# Altium PCB Analog_Daughter_6U_MAX11331.PcbDoc (part 4 of 6) (continued)
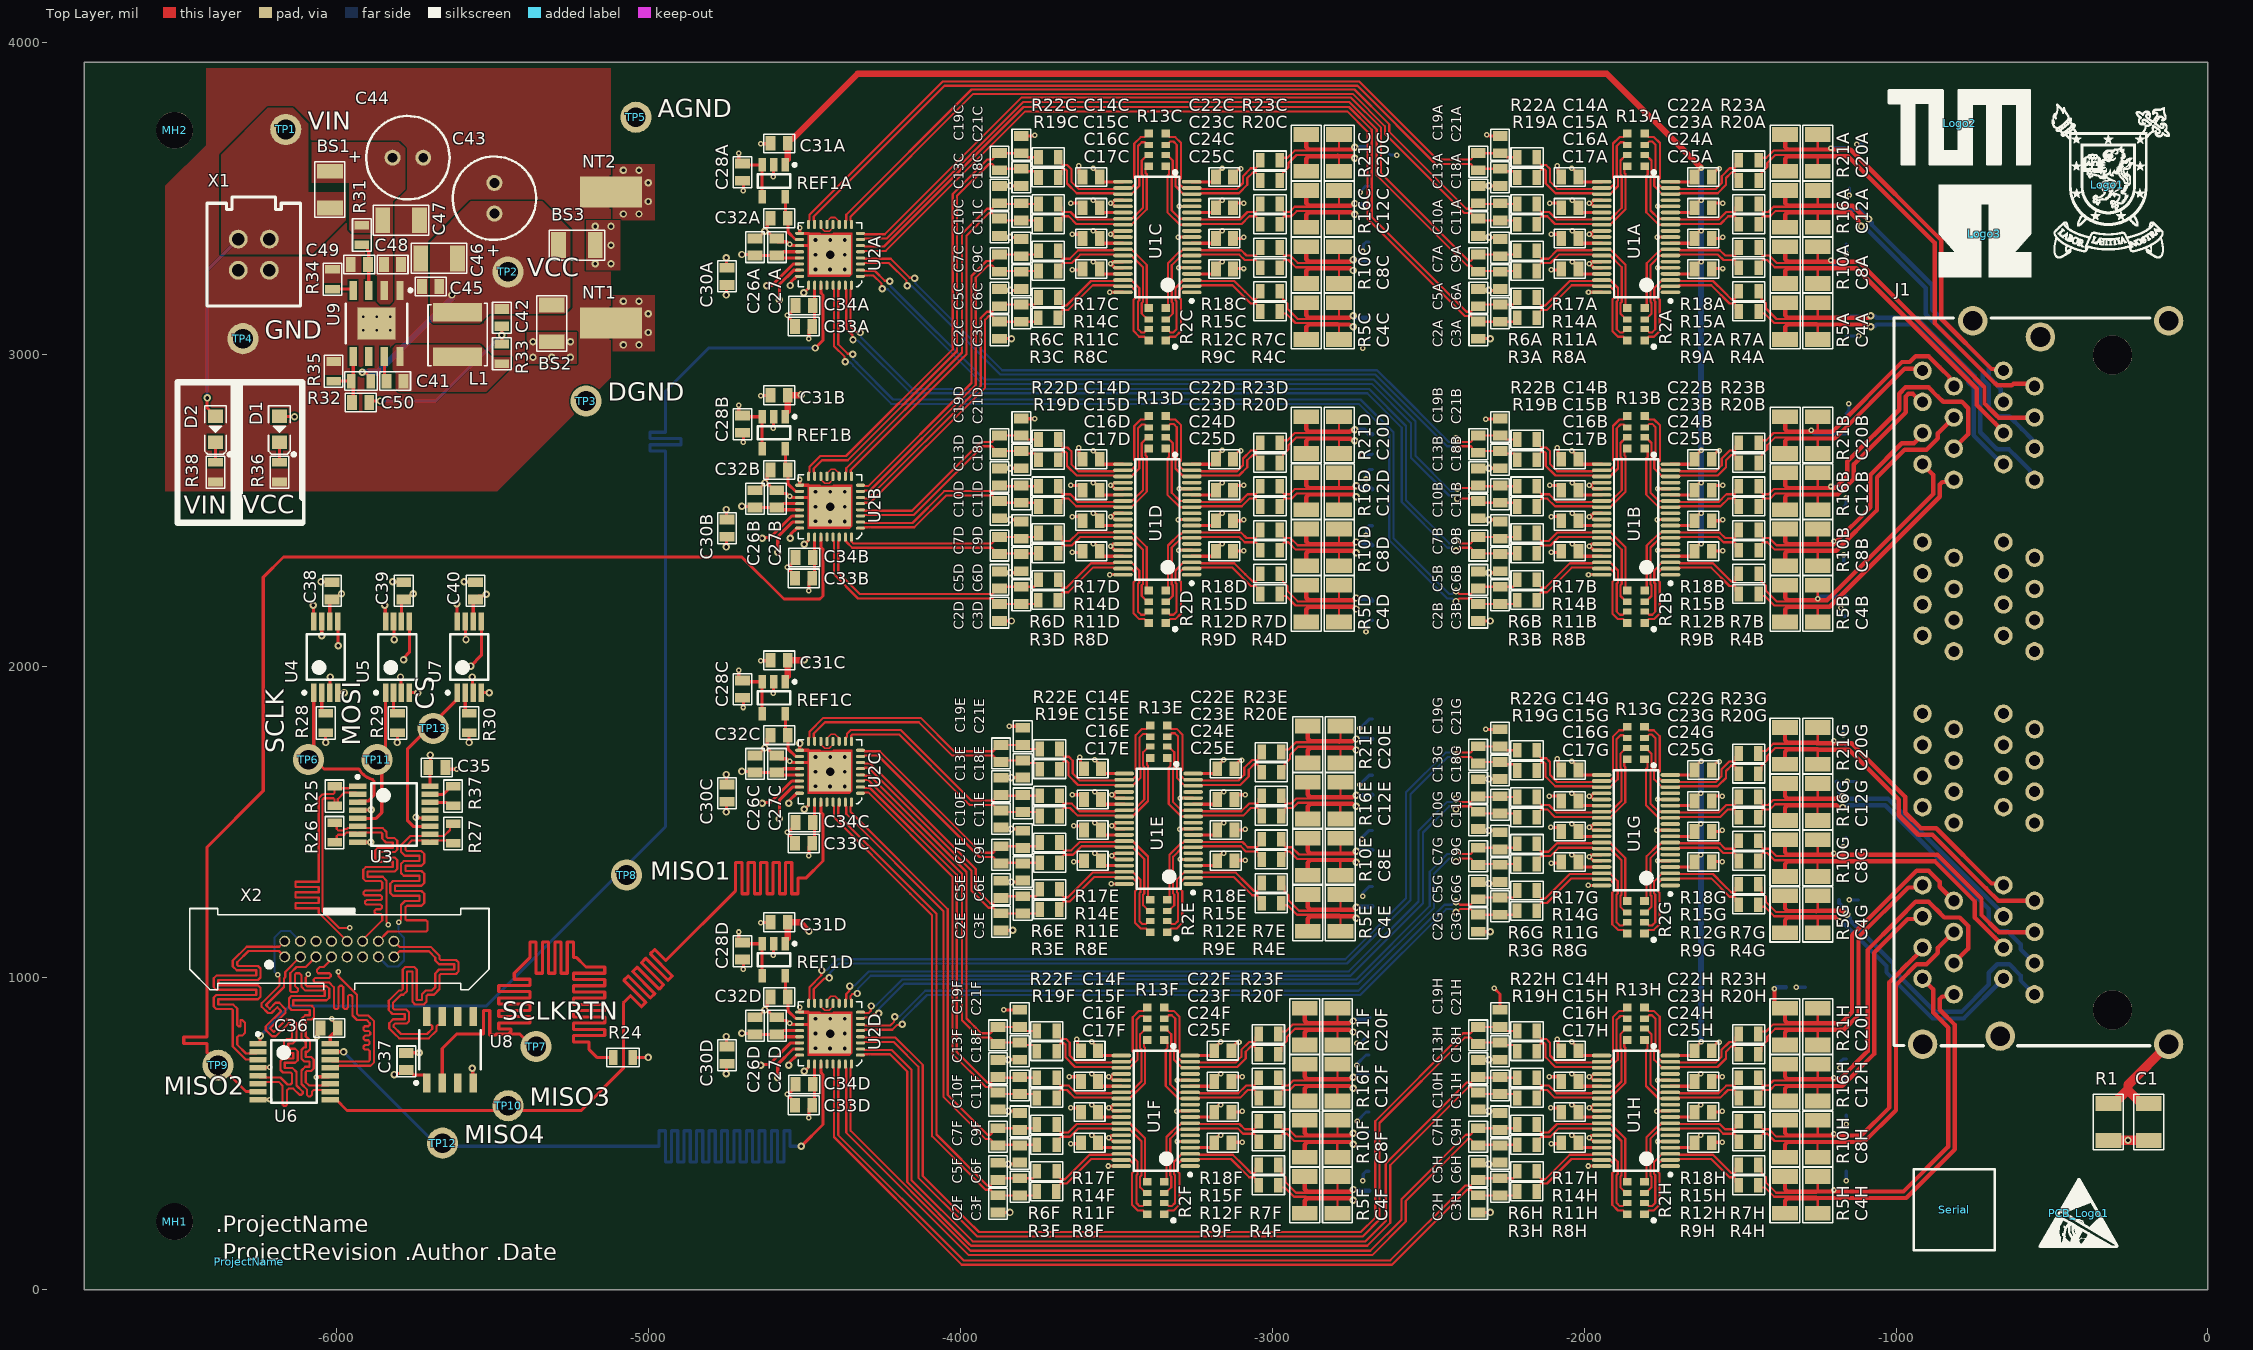
[diagram p0: Top Layer view]
## Nets (pads, with @x,y where several pads share a name; then routed paths per layer and width w, separated by ;. In a path a pad name is that pad's centre, name@x,y a point inside that pad or via, vN(x,y) a via of type N, cw(c..) or ccw(c..) an arc to the next point about the centre after c; other vN are vias at no path point) (continued)
  Top Layer w10: v1(-4711.42,1147.2) -4711.42,1124.41 -4700.68,1113.66 C28D.1@-4699.34,1113.66 -4695.4,1109.72 REF1D.3@-4636.74,1109.72 REF1D.4@-4636.74,1007.36 ; v1(-4711.42,1987.2) -4711.42,1964.41 -4700.68,1953.66 C28C.1@-4699.34,1953.66 -4695.4,1949.72 REF1C.3@-4636.74,1949.72 REF1C.4@-4636.74,1847.36 ; v1(-4711.42,2837.2) -4711.42,2814.41 -4700.68,2803.66 C28B.1@-4699.34,2803.66 -4695.4,2799.72 REF1B.3@-4636.74,2799.72 REF1B.4@-4636.74,2697.36 ; v1(-4711.42,3645) -4711.42,3622.2 -4700.68,3611.46 C28A.1@-4699.34,3611.46 -4695.4,3607.52 REF1A.3@-4636.74,3607.52 REF1A.4@-4636.74,3505.16 ; v2(-4701.42,822.2) -4663,822.2 C26D.1@-4659.34,818.54 C27D.1@-4589.34,818.54 ; v2(-4701.42,1662.2) -4663,1662.2 C26C.1@-4659.34,1658.54 C27C.1@-4589.34,1658.54 ; v2(-4701.42,2512.2) -4663,2512.2 C26B.1@-4659.34,2508.54 C27B.1@-4589.34,2508.54 ; v2(-4701.42,3320) -4663,3320 C26A.1@-4659.34,3316.34 C27A.1@-4589.34,3316.34 ; U2D.21@-4516.31,811.26 -4582.05,811.26 C27D.1@-4589.34,818.54 ; U2D.20@-4516.31,830.94 -4569.06,830.94 -4581.46,818.54 C27D.1@-4589.34,818.54 ; U2C.21@-4516.31,1651.26 -4582.05,1651.26 C27C.1@-4589.34,1658.54 ; U2C.20@-4516.31,1670.94 -4569.06,1670.94 -4581.46,1658.54 C27C.1@-4589.34,1658.54 ; U2B.21@-4516.31,2501.26 -4582.05,2501.26 C27B.1@-4589.34,2508.54 ; U2B.20@-4516.31,2520.94 -4569.06,2520.94 -4581.46,2508.54 C27B.1@-4589.34,2508.54 ; U2A.21@-4516.31,3309.06 -4582.05,3309.06 C27A.1@-4589.34,3316.34 ; U2A.20@-4516.31,3328.74 -4569.06,3328.74 -4581.46,3316.34 C27A.1@-4589.34,3316.34 ; v1(-3579.96,794.55) -3578.95,794.55 -3558.97,774.57 C14F.1@-3558.97,766.69 -3558.97,761.69 -3548.22,750.94 U1F.20@-3484.42,750.94 ; v1(-3579.48,495.21) -3578,493.73 -3573.41,493.73 -3558.97,479.29 C17F.1@-3558.97,471.42 -3558.97,466.42 -3548.22,455.67 U1F.35@-3484.42,455.67 ; v1(-3579.48,593.63) -3578.01,592.16 -3573.72,592.16 -3558.97,577.4 C16F.1@-3558.97,569.53 -3558.97,564.84 -3548.22,554.09 U1F.30@-3484.42,554.09 ; v1(-3579.5,692.06) -3578.02,690.58 -3574.1,690.58 -3558.97,675.45 C15F.1@-3558.97,667.58 -3558.97,663.27 -3548.22,652.52 U1F.25@-3484.42,652.52 ; v1(-3574.92,2691.09) -3573.91,2691.09 -3553.93,2671.1 C14D.1@-3553.93,2663.23 -3553.93,2658.23 -3543.18,2647.48 U1D.20@-3479.38,2647.48 ; v1(-3574.92,3596.6) -3573.91,3596.6 -3553.93,3576.61 C14C.1@-3553.93,3568.74 -3553.93,3563.74 -3543.18,3552.99 U1C.20@-3479.38,3552.99 ; v1(-3574.46,2588.59) -3572.98,2587.12 -3569.06,2587.12 -3553.93,2571.99 C15D.1@-3553.93,2564.12 -3553.93,2559.8 -3543.18,2549.05 U1D.25@-3479.38,2549.05 ; v1(-3574.46,3494.11) -3572.98,3492.63 -3569.06,3492.63 -3553.93,3477.5 C15C.1@-3553.93,3469.63 -3553.93,3465.31 -3543.18,3454.57 U1C.25@-3479.38,3454.57 ; v1(-3574.44,2391.74) -3572.96,2390.27 -3568.37,2390.27 -3553.93,2375.83 C17D.1@-3553.93,2367.95 -3553.93,2362.95 -3543.18,2352.2 U1D.35@-3479.38,2352.2 ; v1(-3574.45,2490.17) -3572.97,2488.69 -3568.68,2488.69 -3553.93,2473.94 C16D.1@-3553.93,2466.07 -3553.93,2461.38 -3543.18,2450.63 U1D.30@-3479.38,2450.63 ; v1(-3574.44,3297.26) -3572.96,3295.78 -3568.37,3295.78 -3553.93,3281.34 C17C.1@-3553.93,3273.46 -3553.93,3268.46 -3543.18,3257.72 U1C.35@-3479.38,3257.72 ; v1(-3574.45,3395.68) -3572.97,3394.2 -3568.68,3394.2 -3553.93,3379.45 C16C.1@-3553.93,3371.58 -3553.93,3366.89 -3543.18,3356.14 U1C.30@-3479.38,3356.14 ; v1(-3570.49,1699.02) -3569.48,1699.02 -3549.5,1679.03 C14E.1@-3549.5,1671.16 -3549.5,1666.16 -3538.75,1655.41 U1E.20@-3474.95,1655.41 ; v1(-3570.01,1399.68) -3568.53,1398.2 -3563.94,1398.2 -3549.5,1383.76 C17E.1@-3549.5,1375.89 -3549.5,1370.89 -3538.75,1360.14 U1E.35@-3474.95,1360.14 ; v1(-3570.02,1498.1) -3568.54,1496.63 -3564.25,1496.63 -3549.5,1481.87 C16E.1@-3549.5,1474 -3549.5,1469.31 -3538.75,1458.56 U1E.30@-3474.95,1458.56 ; v1(-3570.03,1596.53) -3568.55,1595.05 -3564.63,1595.05 -3549.5,1579.92 C15E.1@-3549.5,1572.05 -3549.5,1567.74 -3538.75,1556.99 U1E.25@-3474.95,1556.99 ; v1(-2039.96,794.55) -2038.95,794.55 -2018.97,774.57 C14H.1@-2018.97,766.69 -2018.97,761.69 -2008.22,750.94 U1H.20@-1944.42,750.94 ; v1(-2039.96,1694.55) -2038.95,1694.55 -2018.97,1674.57 C14G.1@-2018.97,1666.69 -2018.97,1661.69 -2008.22,1650.94 U1G.20@-1944.42,1650.94 ; v1(-2039.48,495.21) -2038,493.73 -2033.41,493.73 -2018.97,479.29 C17H.1@-2018.97,471.42 -2018.97,466.42 -2008.22,455.67 U1H.35@-1944.42,455.67 ; v1(-2039.48,593.63) -2038.01,592.16 -2033.72,592.16 -2018.97,577.4 C16H.1@-2018.97,569.53 -2018.97,564.84 -2008.22,554.09 U1H.30@-1944.42,554.09 ; v1(-2039.5,692.06) -2038.02,690.58 -2034.1,690.58 -2018.97,675.45 C15H.1@-2018.97,667.58 -2018.97,663.27 -2008.22,652.52 U1H.25@-1944.42,652.52 ; v1(-2039.48,1395.21) -2038,1393.73 -2033.41,1393.73 -2018.97,1379.29 C17G.1@-2018.97,1371.42 -2018.97,1366.42 -2008.22,1355.67 U1G.35@-1944.42,1355.67 ; v1(-2039.48,1493.63) -2038.01,1492.16 -2033.72,1492.16 -2018.97,1477.4 C16G.1@-2018.97,1469.53 -2018.97,1464.84 -2008.22,1454.09 U1G.30@-1944.42,1454.09 ; v1(-2039.5,1592.06) -2038.02,1590.58 -2034.1,1590.58 -2018.97,1575.45 C15G.1@-2018.97,1567.58 -2018.97,1563.27 -2008.22,1552.52 U1G.25@-1944.42,1552.52 ; v1(-2039.49,2691.09) -2038.48,2691.09 -2018.49,2671.1 C14B.1@-2018.49,2663.23 -2018.49,2658.23 -2007.75,2647.48 U1B.20@-1943.94,2647.48 ; v1(-2039.49,3596.6) -2038.48,3596.6 -2018.49,3576.61 C14A.1@-2018.49,3568.74 -2018.49,3563.74 -2007.75,3552.99 U1A.20@-1943.94,3552.99 ; v1(-2039.01,2391.74) -2037.53,2390.27 -2032.94,2390.27 -2018.49,2375.83 C17B.1@-2018.49,2367.95 -2018.49,2362.95 -2007.75,2352.2 U1B.35@-1943.94,2352.2 ; v1(-2039.01,2490.17) -2037.54,2488.69 -2033.25,2488.69 -2018.49,2473.94 C16B.1@-2018.49,2466.07 -2018.49,2461.38 -2007.75,2450.63 U1B.30@-1943.94,2450.63 ; v1(-2039.03,2588.59) -2037.55,2587.12 -2033.62,2587.12 -2018.49,2571.99 C15B.1@-2018.49,2564.12 -2018.49,2559.8 -2007.75,2549.05 U1B.25@-1943.94,2549.05 ; v1(-2039.01,3297.26) -2037.53,3295.78 -2032.94,3295.78 -2018.49,3281.34 C17A.1@-2018.49,3273.46 -2018.49,3268.46 -2007.75,3257.72 U1A.35@-1943.94,3257.72 ; v1(-2039.01,3395.68) -2037.54,3394.2 -2033.25,3394.2 -2018.49,3379.45 C16A.1@-2018.49,3371.58 -2018.49,3366.89 -2007.75,3356.14 U1A.30@-1943.94,3356.14 ; v1(-2039.03,3494.11) -2037.55,3492.63 -2033.62,3492.63 -2018.49,3477.5 C15A.1@-2018.49,3469.63 -2018.49,3465.31 -2007.75,3454.57 U1A.25@-1943.94,3454.57
  other v2: -5171.42,3290 -5121.42,3290 -5121.42,3350 -5171.42,3410 -5121.42,3410
CS: TP13.1 U3.11 U7.1 | length 555.9
  Top Layer w10: U3.11@-5701.42,1486.18 -5755.52,1486.18 -5773.42,1504.08 -5773.42,1734.97 -5614.38,1894.02 U7.1@-5614.38,1914.68
CS_N: R27.1 U3.9 X2.14 | length 1068.3
  Top Layer w7: X2.14@-5867.57,1117.57 -5836.35,1148.78 -5714.1,1148.78 -5710,1152.88 -5710,1180.9 -5714.1,1185 -5777.41,1185 -5780,1187.59 -5780,1227.48 -5775.9,1231.58 -5728.79,1231.58 -5720,1240.37 -5720,1269.79 -5728.79,1278.58 -5814,1278.58 -5814,1295.58 -5728.79,1295.58 -5720,1304.37 -5720,1333.79 -5728.79,1342.58 -5780,1342.58 -5780,1359.58 -5728.79,1359.58 -5720,1368.37 -5720,1397.79 -5728.79,1406.58 -5775.9,1406.58 -5780,1410.68 -5780,1414.55 -5780.5,1415.05 -5780.5,1420.3 -5778.36,1422.44 -5760,1440.8 -5729.58,1440.8 -5729.15,1440.36 -5706.78,1440.36 U3.9@-5701.42,1435 -5696.06,1440.36 -5673.7,1440.36 -5673.26,1440.8 -5636.79,1440.8 R27.1@-5627.57,1431.58
CS_P: R27.2 U3.10 X2.13 | length 1083.2
  Top Layer w7: v1(-5802.36,1178.13) -5802.36,1180.23 -5795,1187.59 -5795,1233.69 -5782.11,1246.58 -5735,1246.58 -5735,1263.58 -5820.21,1263.58 -5829,1272.37 -5829,1301.79 -5820.21,1310.58 -5735,1310.58 -5735,1327.58 -5786.21,1327.58 -5795,1336.37 -5795,1365.79 -5786.21,1374.58 -5735,1374.58 -5735,1391.58 -5782.11,1391.58 -5795,1404.47 -5795,1414.55 -5794.5,1415.05 -5794.5,1422.44 -5795,1422.44 -5795,1425.59 -5765.8,1454.8 -5729.58,1454.8 -5729.15,1455.23 -5706.78,1455.23 U3.10@-5701.42,1460.59 -5696.06,1455.23 -5673.7,1455.23 -5673.26,1454.8 -5657.22,1454.8 -5637.84,1474.17 -5637.84,1484.29 R27.2@-5627.57,1494.57
  Bottom Layer w7: X2.13@-5867.57,1067.57 -5836.35,1036.35 -5804.63,1036.35 -5785,1055.99 -5785,1129.15 -5802.36,1146.51 v1(-5802.36,1178.13)
CSA: U2A.23 U7.3 | length 4055.4
  Top Layer w10: v2(-5566.42,1965) -5564.81,1963.39 -5564.81,1916.3 U7.3@-5563.19,1914.68 ; v2(-4581.42,3175) -4581.42,3223.79 -4535.6,3269.61 -4516.38,3269.61 U2A.23@-4516.31,3269.68
  Signal 1 w10: v2(-5566.42,1965) -5563.51,1965 -5401.42,2127.08 -5401.42,2355 -5397.89,2358.54 -5433.24,2393.89 -5419.1,2408.03 -5348.39,2337.32 -5334.25,2351.46 -5404.96,2422.18 -5390.82,2436.32 -5320.11,2365.61 -5305.96,2379.75 -5376.67,2450.46 -5362.53,2464.6 -5291.82,2393.89 -5277.68,2408.03 -5348.39,2478.74 -5334.25,2492.89 -5263.54,2422.18 -5249.39,2436.32 -5320.11,2507.03 -5305.96,2521.17 -5235.25,2450.46 -5221.11,2464.6 -5291.82,2535.31 -5277.68,2549.45 -5206.97,2478.74 -5192.83,2492.89 -5263.54,2563.6 -5249.39,2577.74 -5178.68,2507.03 -5164.54,2521.17 -5235.25,2591.88 -5221.11,2606.02 -5150.4,2535.31 -5136.26,2549.45 -5206.97,2620.17 -5192.83,2634.31 -5122.12,2563.6 -5107.97,2577.74 -5161.09,2630.86 -5146.95,2645 -5093.83,2591.88 -5079.69,2606.02 -5126.94,2653.27 -5112.8,2667.41 -5065.55,2620.17 -5051.4,2634.31 -5098.65,2681.56 -5084.51,2695.7 -5037.26,2648.45 -5023.12,2662.59 -5070.37,2709.84 -5056.23,2723.98 -5044.33,2712.09 -5034.53,2721.89 v2(-4581.42,3175)
CSB: U2B.23 U7.8 | length 4037.4
  Top Layer w10: v2(-5616.42,2200) -5615.4,2198.98 -5615.4,2144.06 U7.8@-5614.38,2143.03 ; v2(-4586.42,2365) -4586.42,2415 -4539.61,2461.81 -4516.38,2461.81 U2B.23@-4516.31,2461.89
  Signal 2 w10: v2(-5616.42,2200) -5491.42,2200 -5486.42,2200 -5486.42,2250 -5466.42,2250 -5466.42,2180 -5446.42,2180 -5446.42,2250 -5426.42,2250 -5426.42,2180 -5406.42,2180 -5406.42,2250 -5386.42,2250 -5386.42,2180 -5366.42,2180 -5366.42,2250 -5346.42,2250 -5346.42,2180 -5326.42,2180 -5326.42,2250 -5306.42,2250 -5306.42,2180 -5286.42,2180 -5286.42,2250 -5266.42,2250 -5266.42,2180 -5246.42,2180 -5246.42,2250 -5226.42,2250 -5226.42,2180 -5206.42,2180 -5206.42,2250 -5186.42,2250 -5186.42,2180 -5166.42,2180 -5166.42,2250 -5146.42,2250 -5146.42,2180 -5126.42,2180 -5126.42,2250 -5106.42,2250 -5106.42,2180 -5086.42,2180 -5086.42,2250 -5066.42,2250 -5066.42,2179.14 -5046.42,2179.14 -5046.42,2250 -5026.42,2250 -5026.42,2150 -5006.42,2150 -5006.42,2250 -4986.42,2250 -4986.42,2150 -4966.42,2150 -4966.42,2250 -4946.42,2250 -4946.42,2150 -4926.42,2150 -4926.42,2250 -4906.42,2250 -4906.42,2150 -4886.42,2150 -4886.42,2250 -4866.42,2250 -4866.42,2150 -4846.42,2150 -4846.42,2250 -4826.42,2250 -4826.42,2150 -4806.42,2150 -4806.42,2200 -4794.5,2200 -4751.42,2200 v2(-4586.42,2365)
CSC: U2C.23 U7.7 | length 4056.1
  Top Layer w10: U7.7@-5588.79,2143.03 -5587.6,2141.85 -5587.6,2086.18 v2(-5586.42,2085) ; v2(-4581.42,1510) -4581.42,1570 -4539.61,1611.81 -4516.38,1611.81 U2C.23@-4516.31,1611.89
  Signal 2 w10: v2(-5586.42,2085) -5541.42,2085 -5516.42,2085 -5516.42,2073.19 -5496.42,2073.19 -5496.42,2085 -5476.42,2085 -5476.42,2073.19 -5456.42,2073.19 -5456.42,2085 -5436.42,2085 -5436.42,2073.19 -5416.42,2073.19 -5416.42,2085 -5396.42,2085 -5396.42,2070.76 -5376.42,2070.76 -5376.42,2085 -5356.42,2085 -5356.42,2035 -5336.42,2035 -5336.42,2085 -5316.42,2085 -5316.42,2035 -5296.42,2035 -5296.42,2085 -5276.42,2085 -5276.42,2035 -5256.42,2035 -5256.42,2085 -5236.42,2085 -5236.42,2035 -5216.42,2035 -5216.42,2085 -5196.42,2085 -5196.42,2035 -5176.42,2035 -5176.42,2085 -5156.42,2085 -5156.42,2035 -5136.42,2035 -5136.42,2085 -5131.42,2085 -5116.42,2070 -5101.42,2055 -5097.89,2051.46 -5082.66,2066.69 -5068.52,2052.55 -5119.1,2001.97 -5104.96,1987.82 -5068.73,2024.05 -5054.59,2009.91 -5090.82,1973.68 -5076.67,1959.54 -5041.32,1994.9 -5027.18,1980.75 -5062.53,1945.4 -5048.39,1931.26 -5013.03,1966.61 -4998.89,1952.47 -5034.25,1917.11 -5020.11,1902.97 -4984.75,1938.33 -4970.61,1924.18 -5005.96,1888.83 -4991.82,1874.69 -4956.47,1910.04 -4942.32,1895.9 -4951.42,1886.8 -4951.42,1855 -4951.42,1852.21 -4951.42,1815.03 -5001.42,1815.03 -5001.42,1795.03 -4951.42,1795.03 -4951.42,1775.03 -5001.42,1775.03 -5001.42,1755.03 -4951.42,1755.03 -4951.42,1735.03 -5001.42,1735.03 -5001.42,1715.03 -4937.01,1715.03 -4937.01,1695.03 -5001.42,1695.03 -5001.42,1675.03 -4926.42,1675.03 -4926.42,1655.03 -5001.42,1655.03 -5001.42,1635.03 -4926.42,1635.03 -4926.42,1615.03 -5001.42,1615.03 -5001.42,1595.03 -4936.45,1595.03 -4931.45,1590.03 -4883.92,1542.5 -4880.39,1538.96 -4868.49,1550.86 -4854.35,1536.72 -4901.6,1489.47 -4887.46,1475.32 -4840.21,1522.57 -4826.07,1508.43 -4837.96,1496.54 -4822.25,1480.83 -4816.42,1475 -4785,1475 -4780,1475 -4780,1490.39 -4760,1490.39 -4760,1435 -4740,1435 -4740,1490.39 -4720,1490.39 -4720,1435 -4700,1435 -4700,1490.39 -4680,1490.39 -4680,1475 -4672.64,1475 -4668.01,1475 -4616.42,1475 v2(-4581.42,1510)
CSD: U2D.23 U7.5 | length 3998
  Top Layer w10: v2(-5571.42,2000) -5537.01,2034.41 -5537.01,2142.44 U7.5@-5537.6,2143.03 ; v2(-4586.42,680) -4586.42,722.92 -4537.53,771.81 -4516.38,771.81 U2D.23@-4516.31,771.89
  Signal 2 w10: v2(-5571.42,2000) -5446.42,2000 -5231.42,1785 -5231.42,1467.93 -5231.42,1442.93 -5281.42,1442.93 -5281.42,1422.93 -5231.42,1422.93 -5231.42,1402.93 -5281.42,1402.93 -5281.42,1382.93 -5231.42,1382.93 -5231.42,1362.93 -5281.42,1362.93 -5281.42,1342.93 -5231.42,1342.93 -5231.42,1322.93 -5281.42,1322.93 -5281.42,1302.93 -5231.42,1302.93 -5231.42,1282.93 -5281.42,1282.93 -5281.42,1262.93 -5231.42,1262.93 -5231.42,1242.93 -5281.42,1242.93 -5281.42,1222.93 -5231.42,1222.93 -5231.42,1202.93 -5281.42,1202.93 -5281.42,1182.93 -5231.42,1182.93 -5231.42,1162.93 -5281.42,1162.93 -5281.42,1142.93 -5230.66,1142.93 -5230.66,1122.93 -5281.42,1122.93 -5281.42,1102.93 -5211.07,1102.93 -5211.07,1082.93 -5281.42,1082.93 -5281.42,1062.93 -5211.07,1062.93 -5211.07,1042.93 -5281.42,1042.93 -5281.42,1022.93 -5211.07,1022.93 -5211.07,1002.93 -5281.42,1002.93 -5281.42,982.93 -5211.07,982.93 -5211.07,962.93 -5281.42,962.93 -5281.42,942.93 -5211.07,942.93 -5211.07,922.93 -5281.42,922.93 -5281.42,902.93 -5231.42,902.93 -5231.42,885 -5231.42,875 -4991.42,635 -4631.42,635 v2(-4586.42,680)
DGND: C30A.2 C30B.2 C30C.2 C30D.2 C33A.2 C33B.2 C33C.2 C33D.2 C34A.2 C34B.2 C34C.2 C34D.2 C35.2 C36.2 C37.2 C38.2 C39.2 C40.2 NT1.1 TP3.1 U2A.25 U2B.25 U2C.25 U2D.25 U3.8 U3.12 U4.4 U5.4 U6.8 U6.12 U7.4 U8.4 | length 1134.5
  Top Layer w10: U6.8@-6253.71,610 v1(-6216.42,610) ; v1(-6066.94,681.1) -6064.85,681.1 -6063.04,682.91 -6025.28,682.91 U6.12@-6021.42,686.77 ; v1(-6064.06,809.31) -6063.43,809.95 -6063.43,828.82 C36.2@-6052.68,839.57 ; v2(-6051.42,2270) -6017.13,2270 C38.2@-6015.99,2268.86 ; U4.4@-5997.6,1914.68 -5997.29,1915 v2(-5976.42,1915) ; U3.8@-5933.71,1435 v2(-5891.42,1435) ; v2(-5821.42,2270) -5787.13,2270 C39.2@-5785.99,2268.86 ; C37.2@-5777.56,759.57 -5777.13,760 v2(-5736.42,760) ; U5.4@-5767.6,1914.68 -5767.29,1915 v2(-5741.42,1915) ; v2(-5746.42,1515) -5744.81,1513.39 -5703.04,1513.39 U3.12@-5701.42,1511.77 ; C35.2@-5652.45,1674.57 -5647.17,1669.29 v1(-5616.15,1669.29) ; v2(-5591.42,2270) -5557.13,2270 C40.2@-5555.99,2268.86 ; v2(-5566.42,710) -5564.49,708.07 -5564.49,665.2 U8.4@-5562.57,663.27 ; U7.4@-5537.6,1914.68 -5537.29,1915 v2(-5511.42,1915) ; v2(-4751.42,692.2) -4751.42,722.87 C30D.2@-4749.57,724.72 ; v2(-4751.42,1532.2) -4751.42,1562.87 C30C.2@-4749.57,1564.72 ; v2(-4751.42,2382.2) -4751.42,2412.87 C30B.2@-4749.57,2414.72 ; v2(-4751.42,3190) -4751.42,3220.67 C30A.2@-4749.57,3222.52 ; C33D.2@-4530.83,591.5 -4530.83,599.37 -4554.95,623.48 -4554.95,625.73 v1(-4556.42,627.2) -4555.71,627.2 -4552.79,630.12 -4549.89,630.12 -4529.34,650.67 C34D.2@-4529.34,658.54 ; C33C.2@-4530.83,1431.5 -4530.83,1439.37 -4554.95,1463.48 -4554.95,1465.73 v1(-4556.42,1467.2) -4555.71,1467.2 -4552.79,1470.12 -4549.89,1470.12 -4529.34,1490.67 C34C.2@-4529.34,1498.54 ; C33B.2@-4530.83,2281.5 -4530.83,2289.37 -4554.95,2313.48 -4554.95,2315.73 v1(-4556.42,2317.2) -4555.71,2317.2 -4552.79,2320.12 -4549.89,2320.12 -4529.34,2340.67 C34B.2@-4529.34,2348.54 ; C33A.2@-4530.83,3089.29 -4530.83,3097.16 -4554.95,3121.28 -4554.95,3123.52 v1(-4556.42,3125) -4555.71,3125 -4552.79,3127.91 -4549.89,3127.91 -4529.34,3148.46 C34A.2@-4529.34,3156.34 ; v2(-4503.18,3197.31) -4502.22,3197.31 -4487.76,3211.77 U2A.25@-4487.76,3221.46 ; v2(-4501.76,700.52) -4501.22,700.52 -4487.76,713.98 U2D.25@-4487.76,723.66 ; v2(-4501.76,1540.52) -4501.22,1540.52 -4487.76,1553.98 U2C.25@-4487.76,1563.66 ; v2(-4501.76,2390.52) -4501.22,2390.52 -4487.76,2403.98 U2B.25@-4487.76,2413.66
  other v2: -5081.42,3030 -5031.42,3030 -5001.42,3070 -5001.42,3130 -5081.42,3170 -5031.42,3170
DVCC: BS2.1 C33A.1 C33B.1 C33C.1 C33D.1 C34A.1 C34B.1 C34C.1 C34D.1 C35.1 C36.1 C37.1 C38.1 C39.1 C40.1 D1.1 R28.2 R29.2 R30.2 U2A.26 U2B.26 U2C.26 U2D.26 U3.4 U3.16 U4.6 U5.6 U6.4 U6.16 U7.6 U8.1 | length 1624.6
  Top Layer w10: U6.4@-6253.71,712.36 -6253.1,712.97 -6216.04,712.97 v1(-6215.44,713.57) ; D1.1@-6184.65,2801.02 -6183.63,2800 v2(-6136.42,2800) ; v2(-6036.42,1755) -6036.42,1785.43 R28.2@-6035.99,1785.87 ; U4.6@-6023.19,2143.03 -6023.19,2206.54 C38.1@-6015.99,2213.74 -6008.12,2213.74 -5992.08,2229.78 -5988.17,2229.78 v2(-5985.57,2232.39) ; U6.16@-6021.42,789.13 -6021.42,812.99 -6013.47,820.94 -6008.31,820.94 -5997.56,831.69 C36.1@-5997.57,839.57 -5997.56,847.44 -6017.43,867.31 v1(-6017.43,868.99) ; U3.4@-5933.71,1537.36 -5932.88,1538.19 -5891.22,1538.19 v2(-5890.39,1539.01) ; v2(-5816.42,690) -5812.74,690 -5809.04,693.7 -5788.31,693.7 C37.1@-5777.56,704.45 -5769.69,704.45 -5754.02,688.78 -5719.38,688.78 -5712.57,681.97 U8.1@-5712.57,663.27 ; v2(-5806.42,1755) -5806.42,1785.43 R29.2@-5805.99,1785.87 ; U5.6@-5793.19,2143.03 -5793.19,2206.54 C39.1@-5785.99,2213.74 -5778.12,2213.74 -5762.08,2229.78 -5758.17,2229.78 v2(-5755.57,2232.39) ; U3.16@-5701.42,1614.13 -5701.42,1668.43 C35.1@-5707.57,1674.57 -5700.56,1681.58 v2(-5700.56,1715) ; v2(-5576.42,1755) -5576.42,1785.43 R30.2@-5575.99,1785.87 ; U7.6@-5563.19,2143.03 -5563.19,2206.54 C40.1@-5555.99,2213.74 -5545.24,2224.49 -5530.62,2224.49 -5525.11,2230 v2(-5521.42,2230) ; v1(-4486.42,552.2) -4486.42,580.79 C33D.1@-4475.71,591.5 -4468.08,599.13 U2D.26@-4468.08,723.66 ; v1(-4486.42,1392.2) -4486.42,1420.79 C33C.1@-4475.71,1431.5 -4468.08,1439.13 U2C.26@-4468.08,1563.66 ; v1(-4486.42,2242.2) -4486.42,2270.79 C33B.1@-4475.71,2281.5 -4468.08,2289.13 U2B.26@-4468.08,2413.66 ; v1(-4486.42,3050) -4486.42,3078.58 C33A.1@-4475.71,3089.29 -4468.08,3096.93 U2A.26@-4468.08,3221.46
  other v2: -5371.42,2990 -5311.42,2990 -5251.42,2990 -5371.42,3040 -5251.42,3040
EN: C49.1 R31.1 U9.3 | length 160.6
  Top Layer w10: R31.1@-5920.24,3350.87 -5910.4,3350.87 -5901.62,3342.09 -5901.62,3332.24 -5898,3328.62 U9.3@-5898,3205.2
FB: C50.2 R32.1 R35.2 U9.5 | length 205.4
  Top Layer w10: R35.2@-6010.79,2913.86 R32.1@-5954.42,2913.86 ; C50.2@-5951.54,2845 -5948,2848.54 U9.5@-5948,2992.6
FB1A_N: R13A.3 R20A.1 U1A.17 | length 519.3
  Top Layer w7: R13A.3@-1806.39,3671.1 -1802.45,3671.1 -1796.11,3677.44 -1796.11,3678.21 -1792.01,3682.31 -1782.11,3682.31 -1771.42,3671.62 -1771.42,3567.97 -1775.47,3563.93 -1775.47,3539.34 -1749.75,3513.62 U1A.17@-1723.47,3513.62 -1696.58,3513.62 -1693.74,3516.46 -1572.04,3516.46 -1545.18,3543.32 -1545.18,3565.59 -1528.22,3582.55 -1518.32,3582.55 -1514.22,3578.45 -1514.22,3567.33 R20A.1@-1503.94,3557.05
FB1A_P: R13A.4 R23A.1 U1A.18 | length 518.2
  Top Layer w7: R13A.4@-1806.39,3707.52 -1805.21,3707.52 -1794,3696.31 -1776.31,3696.31 -1757.42,3677.42 -1757.42,3565 -1763.47,3558.96 -1763.47,3547.03 -1749.75,3533.31 U1A.18@-1723.47,3533.31 -1696.58,3533.31 -1693.74,3530.46 -1577.83,3530.46 -1559.18,3549.12 -1559.18,3571.39 -1534.02,3596.55 -1518.32,3596.55 -1514.22,3600.65 -1514.22,3611.77 R23A.1@-1503.94,3622.05
FB1B_N: R13B.3 R20B.1 U1B.17 | length 519.3
  Top Layer w7: R13B.3@-1806.39,2765.59 -1802.45,2765.59 -1796.11,2771.93 -1796.11,2772.7 -1792.01,2776.8 -1782.11,2776.8 -1771.42,2766.11 -1771.42,2662.46 -1775.47,2658.42 -1775.47,2633.83 -1749.75,2608.11 U1B.17@-1723.47,2608.11 -1696.58,2608.11 -1693.74,2610.95 -1572.04,2610.95 -1545.18,2637.81 -1545.18,2660.08 -1528.22,2677.04 -1518.32,2677.04 -1514.22,2672.93 -1514.22,2661.82 R20B.1@-1503.94,2651.54
FB1B_P: R13B.4 R23B.1 U1B.18 | length 518.2
  Top Layer w7: R13B.4@-1806.39,2802.01 -1805.21,2802.01 -1794,2790.8 -1776.31,2790.8 -1757.42,2771.91 -1757.42,2659.49 -1763.47,2653.45 -1763.47,2641.51 -1749.75,2627.8 U1B.18@-1723.47,2627.8 -1696.58,2627.8 -1693.74,2624.95 -1577.83,2624.95 -1559.18,2643.61 -1559.18,2665.88 -1534.02,2691.04 -1518.32,2691.04 -1514.22,2695.14 -1514.22,2706.26 R23B.1@-1503.94,2716.54
FB1C_N: R13C.3 R20C.1 U1C.17 | length 519.3
  Top Layer w7: R13C.3@-3341.82,3671.1 -3337.89,3671.1 -3331.55,3677.44 -3331.55,3678.21 -3327.44,3682.31 -3317.55,3682.31 -3306.86,3671.62 -3306.86,3567.97 -3310.9,3563.93 -3310.9,3539.34 -3285.18,3513.62 U1C.17@-3258.9,3513.62 -3232.01,3513.62 -3229.17,3516.46 -3107.47,3516.46 -3080.61,3543.32 -3080.61,3565.59 -3063.66,3582.55 -3053.76,3582.55 -3049.66,3578.45 -3049.66,3567.33 R20C.1@-3039.38,3557.05
FB1C_P: R13C.4 R23C.1 U1C.18 | length 518.2
  Top Layer w7: R13C.4@-3341.82,3707.52 -3340.64,3707.52 -3329.44,3696.31 -3311.75,3696.31 -3292.86,3677.42 -3292.86,3565 -3298.9,3558.96 -3298.9,3547.03 -3285.18,3533.31 U1C.18@-3258.9,3533.31 -3232.01,3533.31 -3229.17,3530.46 -3113.27,3530.46 -3094.61,3549.12 -3094.61,3571.39 -3069.45,3596.55 -3053.76,3596.55 -3049.66,3600.65 -3049.66,3611.77 R23C.1@-3039.38,3622.05
FB1D_N: R13D.3 R20D.1 U1D.17 | length 519.3
  Top Layer w7: R13D.3@-3341.82,2765.59 -3337.89,2765.59 -3331.55,2771.93 -3331.55,2772.7 -3327.44,2776.8 -3317.55,2776.8 -3306.86,2766.11 -3306.86,2662.46 -3310.9,2658.42 -3310.9,2633.83 -3285.18,2608.11 U1D.17@-3258.9,2608.11 -3232.01,2608.11 -3229.17,2610.95 -3107.47,2610.95 -3080.61,2637.81 -3080.61,2660.08 -3063.66,2677.04 -3053.76,2677.04 -3049.66,2672.93 -3049.66,2661.82 R20D.1@-3039.38,2651.54
FB1D_P: R13D.4 R23D.1 U1D.18 | length 518.2
  Top Layer w7: R13D.4@-3341.82,2802.01 -3340.64,2802.01 -3329.44,2790.8 -3311.75,2790.8 -3292.86,2771.91 -3292.86,2659.49 -3298.9,2653.45 -3298.9,2641.51 -3285.18,2627.8 U1D.18@-3258.9,2627.8 -3232.01,2627.8 -3229.17,2624.95 -3113.27,2624.95 -3094.61,2643.61 -3094.61,2665.88 -3069.45,2691.04 -3053.76,2691.04 -3049.66,2695.14 -3049.66,2706.26 R23D.1@-3039.38,2716.54
FB1E_N: R13E.3 R20E.1 U1E.17 | length 519.3
  Top Layer w7: R13E.3@-3337.39,1773.52 -3333.46,1773.52 -3327.12,1779.87 -3327.12,1780.63 -3323.01,1784.73 -3313.12,1784.73 -3302.43,1774.04 -3302.43,1670.39 -3306.47,1666.35 -3306.47,1641.76 -3280.75,1616.04 U1E.17@-3254.47,1616.04 -3227.58,1616.04 -3224.74,1618.89 -3103.04,1618.89 -3076.18,1645.74 -3076.18,1668.01 -3059.23,1684.97 -3049.33,1684.97 -3045.23,1680.87 -3045.23,1669.75 R20E.1@-3034.95,1659.47
FB1E_P: R13E.4 R23E.1 U1E.18 | length 518.2
  Top Layer w7: R13E.4@-3337.39,1809.94 -3336.21,1809.94 -3325.01,1798.73 -3307.32,1798.73 -3288.43,1779.84 -3288.43,1667.42 -3294.47,1661.38 -3294.47,1649.45 -3280.75,1635.73 U1E.18@-3254.47,1635.73 -3227.58,1635.73 -3224.74,1632.89 -3108.84,1632.89 -3090.18,1651.54 -3090.18,1673.81 -3065.02,1698.97 -3049.33,1698.97 -3045.23,1703.07 -3045.23,1714.19 R23E.1@-3034.95,1724.47
FB1F_N: R13F.3 R20F.1 U1F.17 | length 519.3
  Top Layer w7: R13F.3@-3346.86,869.06 -3342.93,869.06 -3336.58,875.4 -3336.58,876.16 -3332.48,880.26 -3322.58,880.26 -3311.9,869.57 -3311.9,765.93 -3315.94,761.88 -3315.94,737.29 -3290.22,711.57 U1F.17@-3263.94,711.57 -3237.05,711.57 -3234.21,714.42 -3112.51,714.42 -3085.65,741.27 -3085.65,763.54 -3068.69,780.5 -3058.8,780.5 -3054.69,776.4 -3054.69,765.28 R20F.1@-3044.42,755
FB1F_P: R13F.4 R23F.1 U1F.18 | length 518.2
  Top Layer w7: R13F.4@-3346.86,905.47 -3345.68,905.47 -3334.47,894.26 -3316.79,894.26 -3297.9,875.37 -3297.9,762.96 -3303.94,756.91 -3303.94,744.98 -3290.22,731.26 U1F.18@-3263.94,731.26 -3237.05,731.26 -3234.21,728.42 -3118.31,728.42 -3099.65,747.07 -3099.65,769.34 -3074.49,794.5 -3058.8,794.5 -3054.69,798.6 -3054.69,809.72 R23F.1@-3044.42,820
FB1G_N: R13G.3 R20G.1 U1G.17 | length 519.3
  Top Layer w7: R13G.3@-1806.86,1769.06 -1802.93,1769.06 -1796.58,1775.4 -1796.58,1776.16 -1792.48,1780.26 -1782.58,1780.26 -1771.9,1769.57 -1771.9,1665.93 -1775.94,1661.88 -1775.94,1637.29 -1750.22,1611.57 U1G.17@-1723.94,1611.57 -1697.05,1611.57 -1694.21,1614.42 -1572.51,1614.42 -1545.65,1641.27 -1545.65,1663.54 -1528.69,1680.5 -1518.8,1680.5 -1514.69,1676.4 -1514.69,1665.28 R20G.1@-1504.42,1655
FB1G_P: R13G.4 R23G.1 U1G.18 | length 518.2
  Top Layer w7: R13G.4@-1806.86,1805.47 -1805.68,1805.47 -1794.47,1794.26 -1776.79,1794.26 -1757.9,1775.37 -1757.9,1662.96 -1763.94,1656.91 -1763.94,1644.98 -1750.22,1631.26 U1G.18@-1723.94,1631.26 -1697.05,1631.26 -1694.21,1628.42 -1578.31,1628.42 -1559.65,1647.07 -1559.65,1669.34 -1534.49,1694.5 -1518.8,1694.5 -1514.69,1698.6 -1514.69,1709.72 R23G.1@-1504.42,1720
FB1H_N: R13H.3 R20H.1 U1H.17 | length 519.3
  Top Layer w7: R13H.3@-1806.86,869.06 -1802.93,869.06 -1796.58,875.4 -1796.58,876.16 -1792.48,880.26 -1782.58,880.26 -1771.9,869.57 -1771.9,765.93 -1775.94,761.88 -1775.94,737.29 -1750.22,711.57 U1H.17@-1723.94,711.57 -1697.05,711.57 -1694.21,714.42 -1572.51,714.42 -1545.65,741.27 -1545.65,763.54 -1528.69,780.5 -1518.8,780.5 -1514.69,776.4 -1514.69,765.28 R20H.1@-1504.42,755
FB1H_P: R13H.4 R23H.1 U1H.18 | length 518.2
  Top Layer w7: R13H.4@-1806.86,905.47 -1805.68,905.47 -1794.47,894.26 -1776.79,894.26 -1757.9,875.37 -1757.9,762.96 -1763.94,756.91 -1763.94,744.98 -1750.22,731.26 U1H.18@-1723.94,731.26 -1697.05,731.26 -1694.21,728.42 -1578.31,728.42 -1559.65,747.07 -1559.65,769.34 -1534.49,794.5 -1518.8,794.5 -1514.69,798.6 -1514.69,809.72 R23H.1@-1504.42,820
FB2A_N: R13A.1 R15A.1 U1A.12 | length 497
  Top Layer w7: R13A.1@-1806.39,3603.19 -1805.52,3603.19 -1796.42,3594.09 -1796.42,3576.91 -1801.47,3571.87 -1801.47,3455.49 -1761.18,3415.2 -1696.58,3415.2 -1693.74,3418.04 -1563.08,3418.04 -1538.57,3442.55 -1518.32,3442.55 -1514.22,3438.45 -1514.22,3427.33 R15A.1@-1503.94,3417.05
FB2A_P: R13A.2 R18A.1 U1A.13 | length 514.1
  Top Layer w7: R13A.2@-1806.39,3639.61 -1802.45,3639.61 -1784.11,3621.26 -1784.11,3572.25 -1787.47,3568.9 -1787.47,3461.29 -1761.06,3434.88 -1696.58,3434.88 -1693.74,3432.04 -1568.88,3432.04 -1544.37,3456.55 -1518.32,3456.55 -1514.22,3460.65 -1514.22,3471.77 R18A.1@-1503.94,3482.05
FB2B_N: R13B.1 R15B.1 U1B.12 | length 497
  Top Layer w7: R13B.1@-1806.39,2697.68 -1805.52,2697.68 -1796.42,2688.58 -1796.42,2671.4 -1801.47,2666.36 -1801.47,2549.98 -1761.18,2509.68 -1696.58,2509.68 -1693.74,2512.53 -1563.08,2512.53 -1538.57,2537.04 -1518.32,2537.04 -1514.22,2532.93 -1514.22,2521.82 R15B.1@-1503.94,2511.54